# Allegro board 1119394-C028P02-36-DE2-C01_pcb.brd (continued)
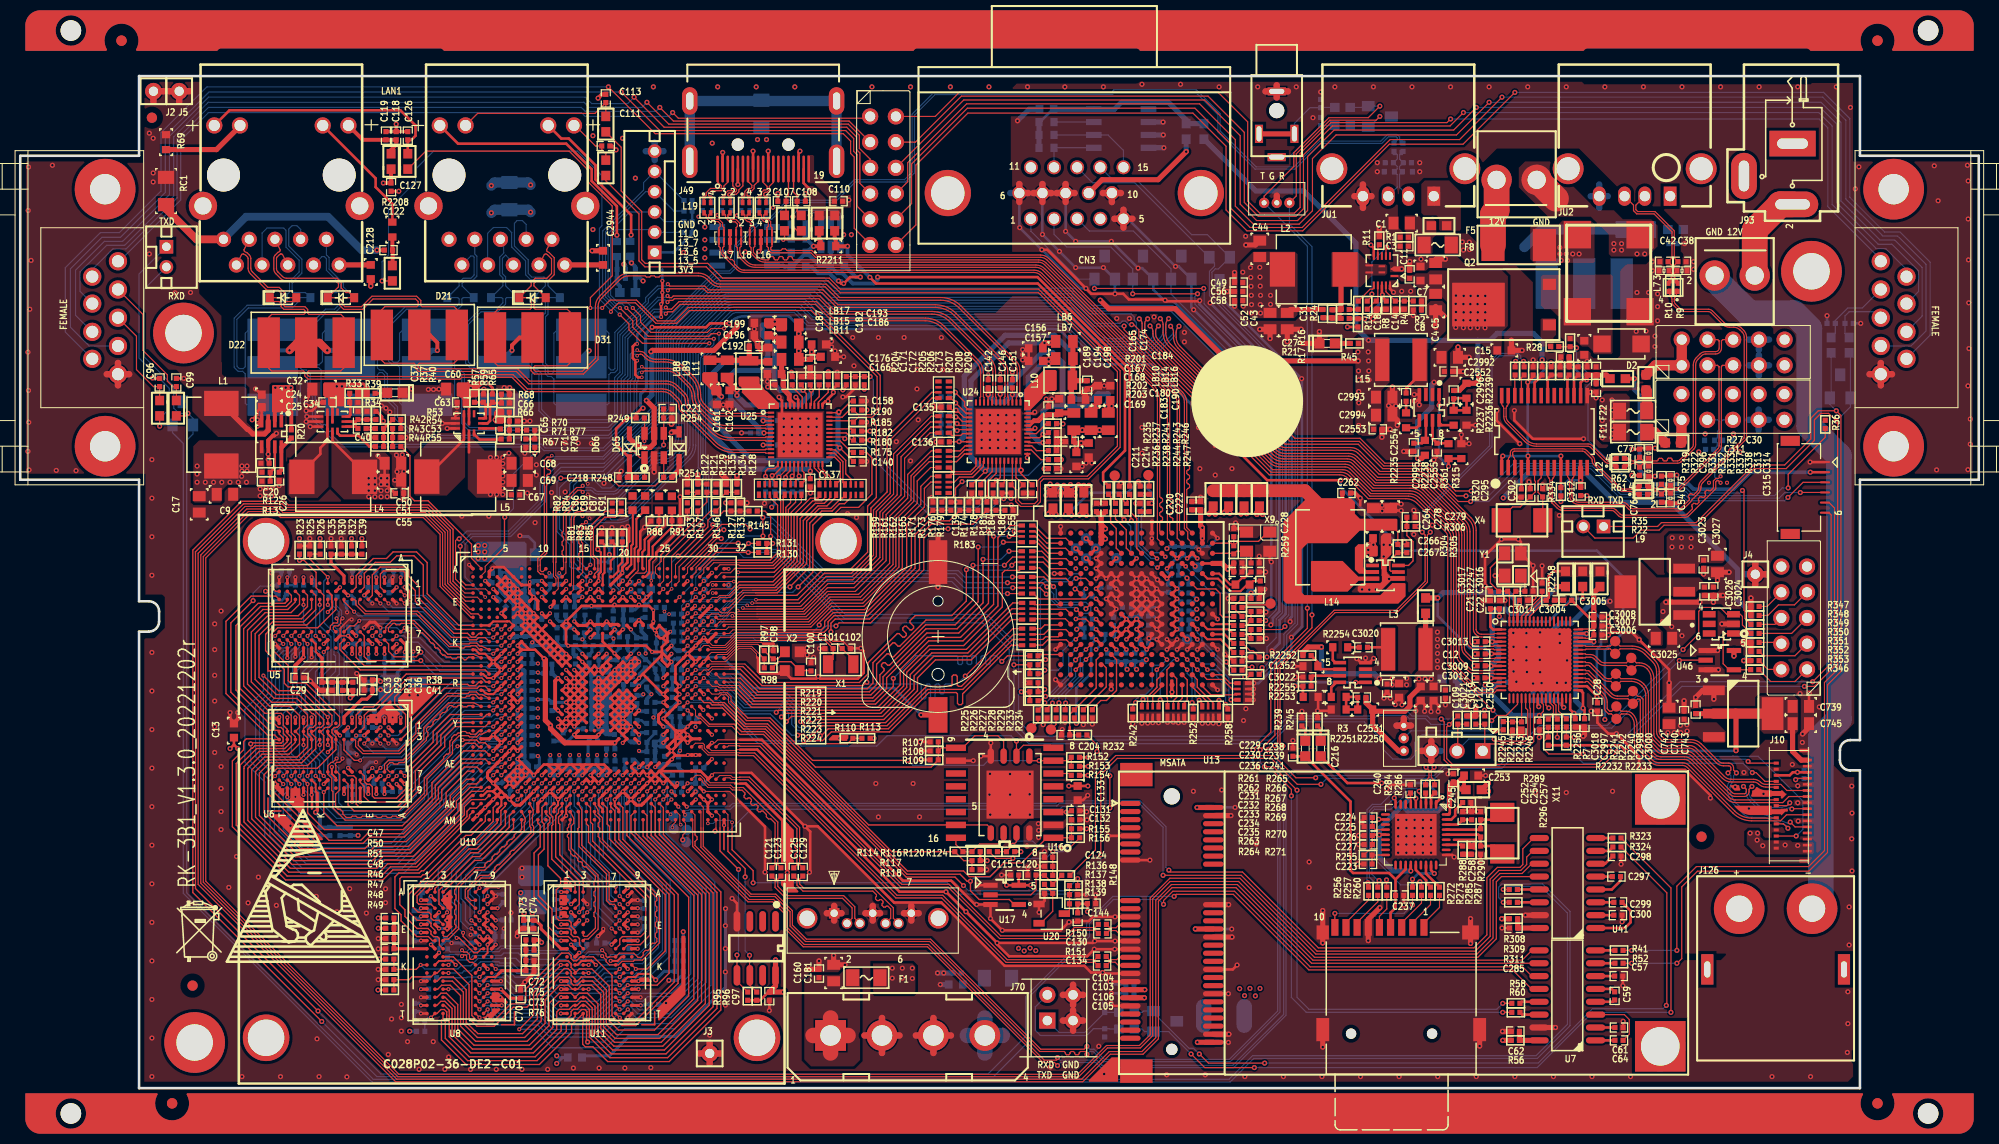
[diagram p0: board, top side]
## Nets (continued)
MDCK: R176.1 U24.30(MDC) U25.30(MDC)
MDIO: R178.2(B) R180.2(B) U10.K27(GPIO11_7/MDIO) U24.31(MDIO) U25.31(MDIO)
MIPI_N0_CLK+: U1.53(MCK_P1)
MIPI_N0_CLK-: U1.54(MCK_N1)
MIPI_N0_D0+: U1.49(M0_P1)
MIPI_N0_D0-: U1.50(M0_N1)
MIPI_N0_D1+: U1.51(M1_P1)
MIPI_N0_D1-: U1.52(M1_N1)
MIPI_N0_D2+: U1.55(M2_P1)
MIPI_N0_D2-: U1.56(M2_N1)
MIPI_N0_D3+: U1.57(M3_P1)
MIPI_N0_D3-: U1.58(M3_N1)
MIPI_N1_CLK+: J10.16 TP6.1(TP) U1.39(MCK_P3)
MIPI_N1_CLK-: J10.15 TP70.1(TP) U1.40(MCK_N3)
MIPI_N1_D0+: J10.13 TP69.1(TP) U1.35(M0_P3)
MIPI_N1_D0-: J10.12 TP68.1(TP) U1.36(M0_N3)
MIPI_N1_D1+: J10.19 TP72.1(TP) U1.37(M1_P3)
MIPI_N1_D1-: J10.18 TP71.1(TP) U1.38(M1_N3)
MIPI_N1_D2+: J10.22 TP10.1(TP) U1.41(M2_P3)
MIPI_N1_D2-: J10.21 TP73.1(TP) U1.42(M2_N3)
MIPI_N1_D3+: J10.10 TP67.1(TP) U1.43(M3_P3)
MIPI_N1_D3-: J10.9 TP1.1(TP) U1.44(M3_N3)
MSATA_RXDN: C106.1 U13.31(PETN0)
MSATA_RXDP: C105.1 U13.33(PETP0)
MSATA_TXDN: C103.1 U13.25(PERP0)
MSATA_TXDP: C104.1 U13.23(PERN0)
NC0: U1.17(NC0)
NC1: U1.18(NC1)
PCIE_REFCLK_SEL: R121.2(B) R122.1(A) R123.1(A) U10.D24(GPIO13_3/VOU1120_DATA11)
POR_BYPASS: R382.2(B) R383.1(A) U10.W28(POR_BYPASS)
POR_IP_SEL: R110.2(B) R113.2(B) U10.U27(POR_IP_SEL)
PWM_SVB0_CPU: R55.2(B) U10.A2(PWM_SVB0/GPIO1_2)
PWM_SVB1_CORE: R78.2(B) U10.B2(PWM_SVB1/GPIO1_3)
RBIAS: R289.1 U34.35(RBIAS)
RESET_7842_1: C204.1 R229.2 R232.2 U32.N5(R\E\S\E\T\)
RESET_SDIO: C223.1 R255.1 U34.18(RESET_N)
REXT: R2248.2 U1.61(REXT)
RGMII0_COL: TP7.1 U10.H29(GPIO8_5/MII0_COL)
RGMII0_RXCK: RN22.4 U10.G30(GPIO8_1/RGMII0_RXCK/MII0_RXCK)
RGMII0_RXD0: RN21.4 U10.G27(GPIO9_0/RGMII0_RXD0/MII0_RXD0)
RGMII0_RXD1: RN22.1 U10.G28(GPIO9_1/RGMII0_RXD1/MII0_RXD1)
RGMII0_RXD2: RN22.2 U10.H27(GPIO9_2/RGMII0_RXD2/MII0_RXD2)
RGMII0_RXD3: RN22.3 U10.H28(GPIO9_3/RGMII0_RXD3/MII0_RXD3)
RGMII0_RXDV: RN21.3 U10.F29(GPIO8_0/RGMII0_RXDV/MII0_RXDV)
RGMII0_RXER: TP5.1 U10.H30(GPIO8_6/MII0_RXER)
RGMII0_TXCKOUT: RN13.1 U10.J29(GPIO8_3/RGMII0_TXCKOUT/MII0_TXC)
RGMII0_TXD0: RN13.2 U10.G31(GPIO9_4/RGMII0_TXD0/MII0_TXD0)
RGMII0_TXD1: RN13.3 U10.H31(GPIO9_5/RGMII0_TXD1/MII0_TXD1)
RGMII0_TXD2: RN13.4 U10.H32(GPIO9_6/RGMII0_TXD2/MII0_TXD2)
RGMII0_TXD3: RN14.1 U10.J30(GPIO9_7/RGMII0_TXD3/MII0_TXD3)
RGMII0_TXEN: RN14.2 U10.K28(GPIO8_2/RGMII0_TXEN/MII0_TXEN)
RGMII1_COL: TP4.1 U10.D29(GPIO2_5/MII1_COL)
RGMII1_CRS: TP3.1 U10.C32(GPIO2_4/MII1_CRS)
RGMII1_RXCK: RN20.4 U10.B32(GPIO2_1/RGMII1_RXCK/MII1_RXCK)
RGMII1_RXD0: RN79.4 U10.A30(GPIO3_0/RGMII1_RXD0/MII1_RXD0)
RGMII1_RXD1: RN20.1 U10.A31(GPIO3_1/RGMII1_RXD1/MII1_RXD1)
RGMII1_RXD2: RN20.2 U10.B31(GPIO3_2/RGMII1_RXD2/MII1_RXD2)
RGMII1_RXD3: RN20.3 U10.C30(GPIO3_3/RGMII1_RXD3/MII1_RXD3)
RGMII1_RXDV: RN79.3 U10.B29(GPIO2_0/RGMII1_RXDV/MII1_RXDV)
RGMII1_RXER: TP2.1 U10.C29(GPIO2_6/MII1_RXER)
RGMII1_TXCKOUT: RN17.1 U10.D30(GPIO2_3/RGMII1_TXCKOUT/MII1_TXC)
RGMII1_TXD0: RN17.2 U10.E30(GPIO3_4/RGMII1_TXD0/MII1_TXD0)
RGMII1_TXD1: RN17.3 U10.E31(GPIO3_5/RGMII1_TXD1/MII1_TXD1)
RGMII1_TXD2: RN17.4 U10.E32(GPIO3_6/RGMII1_TXD2/MII1_TXD2)
RGMII1_TXD3: RN18.1 U10.F32(GPIO3_7/RGMII1_TXD3/MII1_TXD3)
RGMII1_TXEN: RN18.2 U10.E28(GPIO2_2/RGMII1_TXEN/MII1_TXEN)
RI1: J7.12 J22.9
RI2: J7.11 J23.6
RS232_RXA: D1.1(C1) J123.3 L20.2 R58.2
RS232_RXB: D3.1(C1) J1.2 L25.2 R41.2
RS232_RXC: D4.1(C1) J6.2 L27.2 R308.2
RS232_RXD: D5.1(C1) L23.2 R323.2
RS232_TXA: D1.2(C2) J123.1 L21.2 R60.2
RS232_TXB: D3.2(C2) J1.1 L24.2 R52.2
RS232_TXC: D4.2(C2) J6.1 L26.2 R309.2
RS232_TXD: D5.2(C2) L22.2 R324.2
RSTN: C3018.1 R7.2 R2256.2 U1.20(RST_N)
RTC_XIN: C102.2(B) U10.L29(RTC_XIN) X1.1
RTC_XOUT: C101.2(B) U10.L30(RTC_XOUT) X1.2
RTS1: J7.6 J22.7
RTS2: J7.5 J23.8
SATA_PCIE_MODE0: R388.1(A) R389.2(B) U10.E29(GPIO2_7/MII1_TXER)
SATA_PCIE_MODE1: R207.2(B) R208.1(A) R209.2(B) U10.F31(GPIO11_5/EPHY1_CLK)
SATA_RXM0: C125.2 U10.AG32(SATA_RXM0)
SATA_RXM1: U10.AE32(SATA_RXM1)
SATA_RXM2: C103.2 U10.AC32(SATA_RXM2/PCIEX2_RXM1)
SATA_RXP0: C129.2 U10.AG31(SATA_RXP0)
SATA_RXP1: U10.AE31(SATA_RXP1)
SATA_RXP2: C104.2 U10.AC31(SATA_RXP2/PCIEX2_RXP1)
SATA_TXM0: C123.2 U10.AG28(SATA_TXM0)
SATA_TXM1: U10.AE28(SATA_TXM1)
SATA_TXM2: C106.2 U10.AC28(SATA_TXM2/PCIEX2_TXM1)
SATA_TXP0: C121.2 U10.AG29(SATA_TXP0)
SATA_TXP1: U10.AE29(SATA_TXP1)
SATA_TXP2: C105.2 U10.AC29(SATA_TXP2/PCIEX2_TXP1)
SD_CLK: J113.5(CLK) R260.2
SD_CMD: J113.3(CMD) R273.2
SD_D0: J113.7(DAT0) R257.2
SD_D1: J113.8(DAT1) R256.2
SD_D2: J113.1(DAT2) R287.2
SD_D3: J113.2(CD/DAT3) R285.2
SD_NCD: J113.12(DET) R272.2
SD_WP: R288.2 R290.2
SFC_BOOT_MODE: R114.1(A) R117.2(B) R118.1(A) U10.U29(SFC_BOOT_MODE/SFC_CLK)
SFC_CLK: R114.2(B) R116.2(B) U16.16(SCLK) U18.6(SCK)
SFC_CS0N: U10.U32(GPIO15_4/SFC_CS0N)
SFC_CS1N: R152.2(B) R153.2(B) U10.T30(GPIO15_5/SFC_CS1N) U16.7(C\S\) U18.1(CS)
SFC_DIO: U10.U30(GPIO15_0/SFC_DIO) U16.15(SI/SIO0) U18.5(SI)
SFC_DOI: U10.V27(GPIO15_1/SFC_DOI) U16.8(SO/SIO1) U18.2(SO)
SFC_HOLD_IO3: R155.2(B) R156.2(B) U10.V30(GPIO15_3/SFC_HOLD_IO3) U16.1(HOLD~/SIO3)
SFC_WP_IO2: R107.1(A) R108.1(A) R109.2(B) U10.U31(GPIO15_2/SFC_WP_IO2) U16.9(WP~/SIO2) U18.3(W\P\)
SLEEP_33: J122.2 U1.19(SLEEP_33)
SN_BOOT_PIN0: R129.2(B) R135.2(B) R147.1(A) U10.B24(GPIO12_2/VOU1120_DATA2)
SN_BOOT_PIN1: R127.2(B) R133.2(B) R145.1(A) U10.D25(GPIO13_0/VOU1120_DATA8)
SN_BOOT_PIN2: R128.2(B) R134.2(B) R146.1(A) U10.C24(GPIO12_3/VOU1120_DATA3)
SYS_RSTN: C124.1(A) C131.1(A) R120.2(B) R136.1(A) R137.2(B) U10.W29(RSTN) U16.3(R\E\S\E\T\) U17.4(Y)
TE: J10.25 R2234.1
TE_18959089: D18.2
UART0_RXD: U7.12(R1OUT) U10.E2(VOU_SLV_DATA4/GPIO1_0)
UART0_TXD: U7.11(T1IN) U10.D1(VOU_SLV_DATA5/GPIO1_1)
UART1_RXD: U7.9(R2OUT) U10.F1(VOU_SLV_DATA1/GPIO7_0)
UART1_TXD: U7.10(T2IN) U10.E1(VOU_SLV_DATA3/GPIO7_1)
UART2_RXD: U10.G2(VOU_SLV_CLK/GPIO7_4) U41.12(R1OUT)
UART2_TXD: U10.G1(VOU_SLV_DATA0/GPIO7_5) U41.11(T1IN)
UART3_RXD: U10.AK27(GPIO7_6/UART3_RXD) U41.9(R2OUT)
UART3_TXD: U10.AK26(GPIO7_7/UART3_TXD) U41.10(T2IN)
UPDATE_FROM_USB: R165.2(B) R171.1(A) R173.2(B) U10.K31(GPIO6_4/EPHY0_RSTN)
USB2_DM0: R284.1 U10.AL28(USB2_DM0)
USB2_DM1: R322.1 U10.AK29(USB2_DM1)
USB2_DP0: R286.1 U10.AM28(USB2_DP0)
USB2_DP1: R319.1 U10.AL29(USB2_DP1)
USB2_OVRCUR0: U10.AM30(GPIO5_0/USB2_OVRCUR0) U46.2(A)
USB2_OVRCUR1: R95.2(B) U10.AL31(GPIO5_2/USB2_OVRCUR1) U12.5(SDA)
USB2_PWREN0: R232.1 U10.AM31(GPIO5_1/USB2_PWREN0)
USB2_PWREN1: R96.2(B) U10.AL32(GPIO5_3/USB2_PWREN1) U12.6(SCL)
USB2_REXT: R380.1(A) R381.1(A) U10.AH27(USB2_REXT)
USB3_DM: L6.1 R5.1(A) U10.B10(USB3_DM)
USB3_DP: L6.4 R6.1(A) U10.A10(USB3_DP)
USB3_REXT: R401.1(A) R402.1(A) U10.E10(USB3_REXT)
USB3_RXM: U10.B8(USB3_RXM)
USB3_RXP: U10.A8(USB3_RXP)
USB3_TXM: U10.D9(USB3_TXM)
USB3_TXP: U10.C9(USB3_TXP)
USB_EX1_DM: L12.4 R62.1(A) U43.27(DM1)
USB_EX1_DP: L12.1 R61.1(A) U43.28(DP1)
USB_EX2_DM: L9.4 R35.1(A) U43.2(DM2)
USB_EX2_DP: L9.1 R22.1(A) U43.3(DP2)
USB_EX3_DM: L8.1 R18.1(A) U43.8(DM3)
USB_EX3_DP: L8.4 R15.1(A) U43.9(DP3)
USB_EX4_DM: L7.1 R9.1(A) U43.11(DM4)
USB_EX4_DP: L7.4 R10.1(A) U43.12(DP4)
VAVDD_1.8VA: C320.1 C321.1 C322.1 C323.1 C324.1 C325.1 LB24.2 U32.F12(AVDD#F12) U32.G12(AVDD#G12) U32.H12(AVDD#H12) U32.J12(AVDD#J12) U32.K12(AVDD#K12) U32.L12(AVDD#L12)
VCVDD_1.8VA: C319.1 C326.1 C327.1 C328.1 C329.1 C330.1 LB23.2 U32.C12(CVDD#C12) U32.C13(CVDD#C13) U32.C14(CVDD#C14) U32.D12(CVDD#D12) U32.E11(CVDD#E11) U32.E12(CVDD#E12)
VDAC_REXT: R397.2(B) U10.E17(VDAC_REXT)
VDVDD_1.8VA: C331.1 C332.1 C333.1 C334.1 C335.1 C338.1 C340.1 C342.1 C343.1 LB22.2 U32.J7(VDD#J7) U32.K6(VDD#K6) U32.K7(VDD#K7) U32.K8(VDD#K8) U32.K9(VDD#K9) U32.L6(VDD#L6) U32.L7(VDD#L7) U32.L8(VDD#L8) U32.L9(VDD#L9)
VDVDDIO_3.3VA: C345.1 C346.1 C347.1 C348.1 C349.1 LB19.2 R229.1 R243.1 R247.1 U32.F5(DVDDIO#F5) U32.G5(DVDDIO#G5) U32.H5(DVDDIO#H5) U32.J5(DVDDIO#J5) U32.K5(DVDDIO#K5) U32.L5(DVDDIO#L5) U32.M5(DVDDIO#M5)
VGA1_IN_B: CN3.3 D24.2(C2) R267.1
VGA1_IN_G: C234.1 CN3.2 D25.2(C2) R270.1
VGA1_IN_HS: CN3.13 D23.1(C1) R271.2
VGA1_IN_R: CN3.1 D26.2(C2) R268.1
VGA1_IN_VS: CN3.14 D23.2(C2) R264.2
VGA1_SYNC1: C234.2 U32.L16(SYNC1)
VGA_5V: CN3.9 LB52.1
VGA_B: R85.1(A) U10.B18(VGA_B)
VGA_G: R83.1(A) U10.A18(VGA_G)
VGA_HS: R82.1(A)
VGA_R: R81.1(A) U10.C17(VGA_R)
VGA_VS: R84.1(A)
VI_CLK: R219.2 U10.R30(GPIO10_1/VI_CLK/NF_DQ1)
VI_D0: RN19.5 U10.T31(GPIO10_0/VI_DATA0/NF_DQ0)
VI_D1: RN19.6 U10.R32(GPIO10_2/VI_DATA1/NF_DQ2)
VI_D2: RN19.7 U10.R31(GPIO10_3/VI_DATA2/NF_DQ3)
VI_D3: RN19.8 U10.P32(GPIO10_4/VI_DATA3/NF_DQ4)
VI_D4: RN77.5 U10.P31(GPIO10_5/VI_DATA4/NF_DQ5)
VI_D5: RN77.6 U10.P30(GPIO10_6/VI_DATA5/NF_DQ6)
VI_D6: RN77.7 U10.N30(GPIO10_7/VI_DATA6/NF_DQ7)
VI_D7: RN77.8 U10.T28(GPIO4_4/VI_DATA7/NF_RDY0)
VI_D8: RN78.5 U10.T27(GPIO4_5/VI_DATA8/NF_RDY1)
VI_D9: RN78.6 U10.R28(GPIO1_4/VI_DATA9/NF_REN)
VI_D10: RN78.7 U10.P27(GPIO1_5/VI_DATA10/NF_WEN)
VI_D11: RN78.8 U10.P28(GPIO1_7/VI_DATA11/NF_ALE)
VI_D12: RN76.5 U10.P29(GPIO1_6/VI_DATA12/NF_CLE)
VI_D13: RN76.6 U10.R29(GPIO4_6/VI_DATA13/NF_CSN0)
VI_D14: RN76.7 U10.R27(GPIO4_7/VI_DATA14/NF_CSN1)
VI_D15: RN76.8 U10.U28(VI_DATA15/GPIO0_5)
VOU1120_DATA5/I2S0_WS_RX: RN75.6 U10.E26(GPIO12_5/VOU1120_DATA5)
VOU1120_DATA6/I2S0_BCLK_RX: RN75.7 U10.C26(GPIO12_6/VOU1120_DATA6)
VOU1120_DATA8/I2S0_MCLK: R145.2(B) RN75.8
VPVDD_1.8VA: C229.1 C230.1 LB25.2 U32.D15(PVDD#D15) U32.D16(PVDD#D16)
VSRAM_3.3V: C336.1 C337.1 C339.1 C341.1 C344.1 LB18.2 U32.M6(VDD_SDRAM#M6) U32.M7(VDD_SDRAM#M7) U32.M8(VDD_SDRAM#M8) U32.M9(VDD_SDRAM#M9) U32.M10(VDD_SDRAM#M10)
VTVDD_3.3VA: C211.1 C214.1 C220.1 C222.1 LB20.2 U32.A5(TVDD#A5) U32.A15(TVDD#A15) U32.B5(TVDD#B5) U32.B15(TVDD#B15)
WDG_RSTN: R150.1(A) U10.V28(SYS_RSTN_OUT/WDG_RSTN)
X7842_1_XTI: C228.2 R259.1 U32.B16(XTALP) X9.1
X7842_1_XTO: C238.2 R259.2 U32.C16(XTALN) X9.3
XIN: C98.2(B) R97.1(A) U10.M31(XIN) X2.1
XOUT: R97.2(B) R98.2(B) U10.M32(XOUT)
XRES: J10.24 R2242.2
XTALI: C3017.1 R2247.1 U1.64(XTALI) Y1.3(XTAL1)
XTALO: C3016.1 R2247.2 U1.63(XTALO) Y1.1(XTAL0)
N72531: C37.1(A) R37.1(A) R40.2(B) U4.5(EN)
N72551: C66.1(A) R65.2(B) R68.1(A) U9.5(EN)
N72571: C65.1(A) U9.4(RAMP)
N72627: C71.1(A) R77.2(B) R78.1(A)
N72639: R71.2(B) R77.1(A)
N72643: C53.1(A) R54.2(B) R55.1(A)
N72655: R53.2(B) R54.1(A)
N72679: C40.1(A) U4.4(RAMP)
N72683: R57.2(B) R59.1(A) U9.6(MODE/VCON)
N72695: R33.2(B) R34.1(A) U4.6(MODE/VCON)
N72707: L5.1 U9.1(SW1) U9.9(SW2)
N72727: L4.1 U4.1(SW1) U4.9(SW2)
N72799: R67.1(A) U9.3(FB)
N72803: R44.1(A) U4.3(FB)
N78504: C14.1(A) R2.2(B) R4.1(A) U2.13(EN)
N78524: R8.1(A) R17.2(B) R21.2(B) U2.12(FB)
N78664: C31.1(A) R21.1(A) R24.2(B)
N78676: R14.1(A) U2.4(PG)
N78684: C18.1(A) R14.2(B) U2.11(VCC)
N78696: C27.1(A) R16.2(B)
N78700: R16.1(A) U2.10(BST)
N78704: C27.2(B) L2.1(A) R24.1(A) U2.8(SW1) U2.9(SW2) U2.15(SW3) U2.16(SW4)
N78756: R11.1(A) U2.6(MODE)
N108668: R412.2(B) U5.L8(ZQ)
N108954: R413.2(B) U6.L8(ZQ)
N117091: R400.2(B) U11.L8(ZQ)
N117481: R406.2(B) U8.L8(ZQ)
N120940: C100.2(B) R98.1(A) X2.3
N121250: C120.1(A) R137.1(A) R138.2(B) R148.2(B) U17.2(A)
N121664: R138.1(A) R139.1(A) U20.2(R\E\S\E\T\)
N121704: C130.1(A) R150.2(B) R151.2(B) U20.3(VCC)
N369871: R120.1(A) R124.2(B) R156.1(A) U18.7(H\O\L\D\)
N370229: R154.2(B) U16.6(NC3)
N784580: C1.1 C3.1 F8.2 LB2.1 R1.1
N791895: R82.2(B) U10.A16(VGA_HS/GPIO15_6)
N791899: R84.2(B) U10.B16(VGA_VS/GPIO15_7)
N1265409: C91.1(A) R91.1 U10.B22(AC0_LINEOUT_R)
N1265415: C87.1(A) R88.1 U10.A22(AC0_LINEOUT_L)
N1265629: C86.1(A) U10.A20(AC0_LINEIN_R)
N1265735: R394.1 U10.D20(AC0_MICL)
N1265739: R393.1 U10.C21(AC0_MICR)
N1265743: C89.1(A) U10.B20(AC0_LINEIN_L)
N1293779: R174.1(A) U24.29(PHYRSTB)
N1294077: R202.1(A) U24.39(RSET)
N1294165: L10.1(A) U24.48(REG_OUT)
N1294187: RN22.5 U24.19(RXC)
N1294199: R201.2(B) U24.42(CKXTAL1)
N1300229: R204.2(B) U25.42(CKXTAL1)
N1300447: L11.1(A) U25.48(REG_OUT)
N1300451: R205.1(A) U25.39(RSET)
N1300455: R175.1(A) U25.29(PHYRSTB)
N9652119: D71.A R39.2
N16774177: C125.1 CON1.5(RXN)
N16774181: C129.1 CON1.6(RXP)
N16774185: C123.1 CON1.3(TXN)
N16774189: C121.1 CON1.2(TXP)
N17888369: R52.1 U7.7(T2OUT)
N17888371: R41.1 U7.8(R2IN)
N17888401: C59.1 U7.5(C2-)
N17888407: C64.1 U7.3(C1-)
N17888413: C64.2 U7.1(C1+)
N17888415: C59.2 U7.4(C2+)
N17888417: C62.1 R56.2 U7.16(VCC)
N17888423: C61.1 U7.2(V+)
N17888425: C57.1 U7.6(V-)
N17888427: R58.1 U7.13(R1IN)
N17888429: R60.1 U7.14(T1OUT)
N17942185: L1.1(A) U3.3(SW)
N17942187: R12.1(A) R13.1(A) U3.7(FB)
N17942295: C26.1(A) R20.2(B) U3.8(EN)
N17948494: D87.A R45.2
N17955762: J93.2(A2) J94.1 J126.1
N17955776: C30.1(A) D2.2(B) L13.3 Q2.3(S) R27.1
N17955786: D18.1 F5.2 L13.2
N17994299: RN13.7 U24.23(TXD0)
N17994300: RN13.6 U24.24(TXD1)
N17994301: RN13.5 U24.25(TXD2)
N17994302: RN14.8 U24.26(TXD3)
N17994437: RN13.8 U24.22(TXCLK)
N17994468: RN14.7 U24.27(TXCTL)
N17995041: RN17.7 U25.23(TXD0)
N17995044: RN17.6 U25.24(TXD1)
N17995047: RN17.5 U25.25(TXD2)
N17995050: RN18.8 U25.26(TXD3)
N17995116: RN18.7 U25.27(TXCTL)
N17995130: RN17.8 U25.22(TXCLK)
N17995805: RN20.5 U25.19(RXC)
N18010653: C285.1 R311.2 U41.16(VCC)
N18010677: R324.1 U41.7(T2OUT)
N18010679: R323.1 U41.8(R2IN)
N18010709: C297.1 U41.5(C2-)
N18010715: C299.1 U41.3(C1-)
N18010721: C299.2 U41.1(C1+)
N18010723: C297.2 U41.4(C2+)
N18010727: C300.1 U41.2(V+)
N18010729: C298.1 U41.6(V-)
N18010731: R308.1 U41.13(R1IN)
N18010733: R309.1 U41.14(T1OUT)
N18040890: R243.2 R246.2 U32.C10(P\W\R\D\N\1\)
N18040896: R246.1 TP46.1(TP)
N18040898: R227.1 TP47.1(TP)
N18040900: R225.1 TP48.1(TP)
N18040904: R222.2 R223.2 U32.G3(TTX_SDA)
N18040906: R220.2 U32.F4(TTX_SCL)
N18040962: R244.2 R247.2 U32.C11(P\W\R\D\N\2\)
N18041076: RN75.3 U32.H4(AP5)
N18041088: RN75.4 U32.K4(AP1)
N18041450: R252.1 U32.P13(SDRAM_VREF)
N18041699: R242.1 U32.N11(SDRAM_LDQS)
N18041701: R258.1 U32.P15(SDRAM_UDQS)
N18041729: R219.1 U32.N1(LLC/VCLK)
N18041731: TP24.1(TP) U32.B4(SYNC_OUT)
N18041733: TP25.1(TP) U32.D6(CEC)
N18041735: R271.1 U32.L14(HS_IN1/TRI5)
N18041737: R264.1 U32.K14(VS_IN1/TRI6)
N18041783: R237.2 U32.D8(DDCB_SCL)
N18041805: C231.1 R261.1 R262.2
N18041807: C231.2 U32.F14(AIN11)
N18041868: R265.2 TP31.1(TP) U32.D13(VGA_SCL)
N18042583: TP27.1(TP) U32.C3(VS/FIELD)
N18042585: TP29.1(TP) U32.C4(HS/CS)
N18042593: TP30.1(TP) U32.D4(FIELD/DE)
N18042595: TP26.1(TP) U32.L13(AOUT)
N18042600: R241.2 U32.C9(RXA_5V)
N18042602: R235.2 U32.C7(HPA_A)
N18042624: R236.2 U32.C8(RXB_5V)
N18042626: R236.1 TP49.1(TP)
N18042630: TP32.1(TP) U32.D14(VGA_SDA)
N18042636: RN75.2 U32.J3(SCLK)
N18042638: RN77.4 U32.D2(P8)
N18042640: RN77.3 U32.D1(P9)
N18042642: RN77.2 U32.E2(P10)
N18042644: RN77.1 U32.F2(P11)
N18042646: RN19.4 U32.B2(P4)
N18042648: RN19.3 U32.B1(P5)
N18042650: RN19.2 U32.C2(P6)
N18042652: RN19.1 U32.C1(P7)
N18042654: RN76.4 U32.K1(P20)
N18042656: RN76.3 U32.L2(P21)
N18042658: RN76.2 U32.L1(P22)
N18042662: RN76.1 U32.M2(P23)
N18042664: RN78.4 U32.H1(P16)
N18042666: RN78.3 U32.J2(P17)
N18042668: RN78.2 U32.J1(P18)
N18042670: RN78.1 U32.K2(P19)
N18042674: C235.1 R263.1 R270.2
N18042676: C233.1 R268.2 R269.1
N18042678: C232.1 R266.1 R267.2
N18042680: C232.2 U32.K16(AIN3)
N18042682: C233.2 U32.K15(AIN2)
N18042684: C235.2 U32.L15(AIN1)
N18043041: R225.2 U32.N3(INT2)
N18043043: R227.2 U32.M4(INT1)
N18043282: R233.2 U32.P5(TEST7)
N18043284: R234.2 U32.N6(TEST6)
N18043286: R228.2 U32.N4(TEST4)
N18043288: R226.2 U32.P3(TEST5)
N18043541: R224.2 U32.M3(SDA)
N18043543: R221.2 U32.L3(SCL)
N18043587: RN12.4 U32.N13(SDRAM_DQ15)
N18043589: RN12.3 U32.T14(SDRAM_DQ14)
N18043591: RN12.2 U32.R14(SDRAM_DQ13)
N18043593: RN12.1 U32.P14(SDRAM_DQ12)
N18043595: R238.2 U32.D11(RTERM)
N18043599: RN10.4 U32.P11(SDRAM_DQ7)
N18043601: RN10.3 U32.R11(SDRAM_DQ6)
N18043603: RN10.2 U32.T11(SDRAM_DQ5)
N18043605: RN10.1 U32.N12(SDRAM_DQ4)
N18043607: RN9.4 U32.P12(SDRAM_DQ3)
N18043609: RN9.3 U32.R12(SDRAM_DQ2)
N18043611: RN9.2 U32.T13(SDRAM_DQ1)
N18043613: RN9.1 U32.R13(SDRAM_DQ0)
N18043626: RN11.4 U32.N14(SDRAM_DQ11)
N18043628: RN11.3 U32.T15(SDRAM_DQ10)
N18043630: RN11.2 U32.R15(SDRAM_DQ9)
N18043632: RN11.1 U32.R16(SDRAM_DQ8)
N18043702: C236.1 C241.2 U32.E15(REFP)
N18043704: C236.2 C239.2 U32.E16(REFN)
N18043752: RN75.1 U32.G4(MCLK)
N18120093: R286.2 U34.2(USBDP)
N18120095: R284.2 U34.3(USBDM)
N18120101: C258.2 R296.2 U34.32(XTAL2) X11.2
N18120111: C257.2 R296.1 U34.33(XTAL1/CLKIN) X11.1
N18120140: D14.A U34.1(LED)
N18120142: D14.C R245.2
N18120148: D15.C R239.2
N18120154: R287.1 U34.25(SD_D2)
N18120156: R256.1 U34.4(SD_D1)
N18120158: R257.1 U34.5(SD_D0)
N18120160: R285.1 U34.23(SD_D3)
N18120399: R272.1 U34.26(SD_NCD)
N18120401: R273.1 U34.11(SD_CMD)
N18120403: R288.1 U34.30(SD_WP)
N18120405: R260.1 U34.9(SD_CLK)
N18122516: C296.1 C311.1 C313.1 C314.1 C315.1 LB31.1 R332.2 R334.1 R337.1 R338.1 U43.1(AVDD1) U43.5(AVDD2) U43.10(AVDD3) U43.16(DVDD) U43.24(V33)
N18122529: R320.1 U43.4(RREF)
N18122553: C312.1 R334.2 U43.13(RESET#)
N18122565: R322.2 U43.25(DM0)
N18122567: R319.2 U43.26(DP0)
N18122574: R338.2 U43.17(PSELF)
N18122576: R337.2 U43.18(PGANG)
N18122660: C295.2 U43.6(XTAL1) X4.1
N18122662: C302.2 U43.7(XTAL2) X4.2
N18122672: R331.2 U43.23(V5)
N18122674: R332.1 R333.1 U43.21(OVCUR1#)
N18131694: F22.2 LB5.1
N18131729: J103.1 J103.2 LB5.2
N18131773: C76.1 D16.1 J103.6 L12.2 R61.2(B)
N18131779: C77.1 D17.1 J103.4 L12.3 R62.2(B)
N18172660: J108.7 R348.1
N18172710: J108.8 R347.1
N18173126: J108.3 R352.1
N18173239: J108.5 R350.1
N18173263: J108.1 R346.1
N18173335: J108.2 R353.1
N18173338: J108.4 R351.1
N18173341: J108.6 R349.1
N18174047: Q2.1(G) R28.1
N18220213: L14.1(A) U38.3(SW)
N18220215: R304.1 R305.1 U38.7(FB)
N18220289: C279.1(A) R306.2(B) U38.8(EN)
N18223070: R36.1(A) U10.D3(VOU_SLV_DATA14/GPIO0_0)
N18387572: F11.2 LB4.1
N18449434: J11.12(LED-_G) R2208.2
N18450000: J115.12(LED-_G) R64.2
N18450023: J115.14(LED+_Y) R2210.2
N18473853: C85.2 J49.1(P1) L19.1
N18473856: C84.2 J49.3(P3) L19.4
N18473859: C83.2 J49.7(P7) L18.1
N18473862: C82.2 J49.9(P9) L18.4
N18473877: C107.1 J49.15(P15) L28.1
N18473890: C110.1 J49.19(P19) L30.1
N18473893: J49.20(S20) J49.21(S21) J49.22(S22) J49.23(S23) R63.1
N18475321: C2318.2 LB1.2 LB52.2 R158.1 R160.1 R2212.1 U27.8(VDD)
N18475325: R158.2 U27.7(WP)
N18477076: R1119.2 U58.7(WP)
N18596205: C2554.1(A) R2235.2(B)
N18596289: C2996.2(B) R2236.1(A) R2237.2(B) R2239.2(B)
N18596299: C2995.1(A) R2238.2(B) U79.6(EN/SYNC)
N18596305: C2555.1(A) R361.1(A) U79.7(VCC)
N18596313: R2237.1(A) U79.8(FB)
N18596319: C2554.2(B) L15.1(A) U79.3(SW)
N18596345: R2235.1(A) U79.5(BST)
N18596351: R315.1(A) R361.2(B) U79.1(AAM)
N18684413: D65.1(K) R251.1
N18724589: C2531.1(A) R3.2(B) R2250.1(A) R2251.1(A)
N18724623: C1352.1(A) R2252.2(B) U80.6(EN/SYNC)
N18724629: R3.1(A) U80.8(FB)
N18724631: C3022.1(A) R2255.1(A) U80.7(VCC)
N18724639: R2253.1(A) R2255.2(B) U80.1(AAM)
N18724649: C3020.1(A) R2254.2(B)
N18724653: R2254.1(A) U80.5(BST)
N18724659: C3020.2(B) L3.1(A) U80.3(SW)
N18850314: C94.1 J22.2 L24.1
N18850334: C95.1 J22.3 L25.1
N18852762: C3029.1 F24.2 LB3.1
N18863826: F5.1 J125.1
N18864912: C90.1 J111.2 L20.1
N18864923: C88.1 J111.1 J111.3 L21.1
N18865275: C92.1 J124.2 L23.1
N18865278: C93.1 J124.1 L22.1
N18911989: C99.1 J23.4 L27.1
N18911996: C96.1 J23.3 L26.1
N18943978: C42.2 D7.1 JU2.3 L7.3 R10.2(B)
N18943986: C38.2 D6.1 JU2.2 L7.2 R9.2(B)
N18943994: C23.1 D9.1 JU1.3 L6.3 R6.2(B)
N18944001: C10.1 D8.1 JU1.2 L6.2 R5.2(B)
N18946581: C46.1 D11.1 J95.3 L8.2 R18.2(B)
N18946589: C45.1 D10.1 J95.5 L8.3 R15.2(B)
N18947100: C75.1 D13.1 J103.3 L9.3 R35.2(B)
N18947108: C54.1 D12.1 J103.5 L9.2 R22.2(B)
N18949083: C2128.2 J11.1(CT)
N18949421: C2944.2 J115.1(CT)
N18988802: C78.2 J49.12(P12) L16.2
N18988909: C79.2 J49.10(P10) L16.3
N18988998: C80.2 J49.6(P6) L17.2
N18989021: C81.2 J49.4(P4) L17.3
N18993375: JU1.1 LB2.2
N18993417: JU2.1 LB3.2
N18993462: J95.1 LB4.2
N18998825: C108.1 J49.16(P16) L29.2
N19001477: J49.18(P18) LB12.2
N19002478: C111.1(A) J115.11(LED+_G) LB13.2
N19002508: C113.1(A) J115.13(LED-_Y) LB21.2
N19002660: C116.1(A) C117.1(A) LB27.2 R2210.1
N19003815: J11.13(LED-_Y) R69.2
N19004060: C118.1(A) C119.1(A) J11.11(LED+_G) LB28.2
N19004132: C122.1(A) LB29.2 R2208.1
N19004143: C126.1(A) J11.14(LED+_Y) LB30.2
N180422580: R262.1 TP28.1(TP)

Pads without a net: CN3 4 11 16 17; D1 3; D3 3; D4 3; D5 3; D24 3; D25 3; D26 3; ID1 1; ID2 1; ID3 1; ID4 1; ID5 1; ID6 1; J10 7; J11 E1 E2; J22 10 11; J23 10 11; J49 13 14; J95 2 4 6 8 9 10; J103 9 10; J108 9 10; J115 E1 E2; JU1 5 6; JU2 5 6; NOREF 1; NOREF#19 1; NOREF#22 1; NOREF#23 1; PCB 1 2 3; R123 2; R146 2; R147 2; R2234 2; RN14 3 4 5 6; RN18 3 4 5 6; RN21 1 2 7 8; RN79 1 2 7 8; U2 3 5; U3 1; U4 7; U5 J1 J9 L1 L9; U6 J1 J9 L1 L9; U8 J1 J9 L1 L9; U9 7; U10 A7 A24 A25 AA1 AA13 AA15 AA16 AA28 AA29 AA31 AA32 AC1 AD1 AD2 AE20 AJ14 AJ31 AJ32 AK1 AK31 AK32 AL15 AL18 AL24 AM3 AM10 AM16 AM18 AM25 B1 B7 B25 C2 C22 C28 D22 D27 E23 E24 E25 E27 F2 F3 F4 G3 G4 J1 K2 K4 P12 R1 U1 U12 V3 V12 W4 W27 W31 W32 Y2; U11 J1 J9 L1 L9; U12 1 2 3 7; U13 1 3 5 6 7 8 10 11 12 13 14 16 17 19 20 22 28 30 32 36 38 42 44 45 46 47 48 49 51 H3 H4 P1 P2; U16 4 5 11 12 13 14; U24 12 20 33 46; U25 12 20 33 46; U32 A2 A3 A4 A6 A7 A8 A9 B3 B6 B7 B8 B9 C6 D3 D7 D9 D10 E3 E4 E13 E14 F1 F3 F13 F15 F16 G1 G2 G13 G14 G15 G16 H2 H3 H13 H14 H15 H16 J4 J13 J14 J15 K3 K13 L4 N2 N7 N8 N9 N10 N15 N16 P1 P2 P4 P6 P7 P8 P9 P10 P16 R1 R2 R3 R4 R5 R6 R7 R8 R9 R10 T2 T3 T4 T5 T7 T8 T9 T10; U34 7 8 10 12 15 16 17 19 20 24 27 29 31; U38 1; U43 14 19 20 22; U45 4 5 6; U75 6

## Via types
v1: diameter 0.406, hole 0.203, TOP to BOTTOM, 726 vias
v2: diameter 0.508, hole 0.254, TOP to BOTTOM, 1585 vias
v3: diameter 0.356, hole 0.203, TOP to BOTTOM, 46 vias
v4: diameter 0.457, hole 0.203, TOP to BOTTOM, 90 vias

## Routing (per net, layer and track width the routed paths; a pad name or vN(x,y) marks a point on that pad's centre or on a via; arc(x,y) is an arc through that point)
1V5: length 172.2
  TOP w0.178: U5.K2 30.77,48.7 30.77,48.03 30.81,47.99 30.81,47.48 v1(30.38,47.04) ; U8.K2 41.36,12.57 41.93,12.57 41.97,12.61 42.58,12.61 v1(43.01,12.18)
  TOP w0.203: v1(30.38,33.2) 30.81,33.63 30.81,34.14 30.77,34.18 30.77,34.61 30.38,35.01 U6.K2 ; v1(56.85,12.18) 56.42,12.61 55.86,12.61 55.82,12.57 55.44,12.57 55.05,12.18 U11.K2
  TOP w0.254: U8.R1 v1(39.58,8.18) ; U10.AG7 U10.AF8 ; U10.AG7 49.11,30.11 ; U10.AG7 U10.AF6 ; U10.AF8 49.91,31.73 ; U10.AF8 50.32,31.32 v1(50.72,30.92) 51.12,31.32 U10.AF9 51.12,31.38 51.71,31.97 52.07,31.97 ; 57.93,31.71 57.67,31.97 56.87,31.97 ; 57.93,31.71 U10.AF18 ; 57.93,31.71 57.53,31.32 U10.AF17 56.87,31.97 ; v1(54.41,14.18) U11.H2 ; 52.87,31.97 U10.AF12 53.52,31.34 54.15,31.97 ; 52.87,31.97 52.07,31.97 ; 52.87,31.97 53.39,31.97 ; U10.AE7 49.91,31.73 ; U10.AE7 49.12,32.52 v1(49.12,32.52) 49.52,32.92 U10.AD7 ; U10.AE7 U10.AF6 ; 49.91,31.73 49.52,31.33 U10.AF7 U10.AG6 U10.AH5 ; 56.87,31.97 56.52,31.97 ; v1(37.58,50.47) 37.58,50.47 U5.A1 ; 54.15,31.97 54.47,31.97 ; 54.15,31.97 53.39,31.97 ; 52.07,31.97 U10.AF11 52.74,31.32 53.39,31.97 ; 21.11,33.93 v2(21.49,33.55) ; 21.11,33.93 C13.1 ; 21.11,33.93 v2(20.73,33.55) ; 49.11,30.11 U10.AH6 U10.AG5 48.31,30.91 ; 49.11,30.11 48.31,30.91 ; v1(49.92,30.92) v1(49.12,31.72) ; v1(40.56,18.98) 40.56,18.98 U8.B2 ; 48.31,30.91 U10.AF6 ; v1(54.41,17.38) U11.D2 ; 54.47,31.97 U10.AF14 55.15,31.32 55.8,31.97 ; 54.47,31.97 55.27,31.97 ; U5.R1 v1(26.38,50.47) ; v1(35.58,35.65) U6.D2 ; v1(37.18,49.49) U5.B2 ; U6.R1 v1(26.38,36.63) ; v1(53.43,17.78) U11.C1 ; 55.27,31.97 U10.AF15 55.92,31.38 56.52,31.97 ; 55.27,31.97 55.8,31.97 ; 55.8,31.97 56.52,31.97 ; 22.45,61.47 v2(22.4,61.47) ; v1(40.57,19.79) U8.A1 ; v1(54.41,18.18) U11.B2 ; R46.1 v2(35.46,12.75) ; v1(53.42,8.18) U11.R1 ; v1(53.43,19.38) U11.A1 ; R49.1 v2(35.33,9.7)
  TOP w0.305: v1(33.58,36.62) U6.F1 ; C70.1 48.37,8.89 v1(47.48,9.78) U8.N9 ; v1(35.18,42.91) U5.D9 ; U8.E9 46.56,16.18 v1(46.96,15.78) ; U5.C1 35.98,50.47 v1(35.98,50.47) ; U8.C9 47.14,17.78 v1(47.14,17.78) ; R26.1 v2(29.62,54.31) ; v1(35.98,36.62) U6.C1 ; v1(46.96,16.58) 46.56,16.98 U8.D9 ; v1(34.38,42.91) U5.E9 ; v1(41.36,17.38) U8.D2 ; v1(32.38,31.65) U6.G7 ; v1(32.38,48.69) U5.H2 ; U11.H9 60.98,13.78 v1(60.98,13.78) ; C39.1 v2(33.74,54.31) ; v1(37.98,30.05) U6.A8 ; v1(27.98,42.58) U5.N9 ; v1(61.07,9.78) 61.07,9.78 U11.N9 ; v1(35.98,42.91) U5.C9 ; v1(53.42,9.78) U11.N1 ; R32.1 v2(32.73,54.31) ; U11.D9 60.98,16.98 v1(60.98,16.98) ; v1(58.41,14.18) U11.G7 ; v1(60.01,11.78) U11.K8 ; v1(29.98,30.05) U6.K8 ; U10.W7 v1(49.12,36.52) ; U5.A8 38.06,43.81 38.06,43.17 v1(37.98,43.09) ; v1(40.56,14.18) U8.H2 ; C47.1 v2(35.36,16.81) ; U10.V7 v1(49.12,37.32) ; v1(29.98,43.89) U5.K8 ; v1(37.58,36.62) U6.A1 ; U10.R7 v1(49.12,39.72) ; v1(53.43,15.38) U11.F1 ; v1(33.18,44.69) U5.G7 ; v1(35.58,48.69) U5.D2 ; v1(27.98,28.99) U6.N9 ; U11.R9 v1(61.28,8.18) ; v1(35.18,29.07) U6.D9 ; v1(35.98,29.07) U6.C9 ; U6.R9 v1(26.38,28.77) ; U5.F1 33.58,50.47 v1(33.58,50.47) ; v1(34.38,29.07) U6.E9 ; U10.AF17 v1(57.12,30.92) ; v1(39.58,9.78) U8.N1 ; U10.AF14 v1(54.72,30.92) ; v1(32.38,43.9) U5.H9 ; U10.AF15 v1(55.52,30.92) ; R50.1 v2(35.36,15.8) ; U8.R9 v1(47.55,8.18) ; v1(27.98,50.47) U5.N1 ; v1(39.59,15.38) U8.F1 ; U10.AF18 v1(57.92,30.92) ; U5.R9 v1(26.38,42.5) ; U8.G7 v1(45.36,14.18) ; U10.N7 v1(49.12,41.32) ; U10.AF11 v1(52.32,30.92) ; U10.AF12 v1(53.12,30.92) ; v1(27.98,36.63) U6.N1 ; v1(60.01,19.78) U11.A8 ; v1(46.16,11.78) U8.K8 ; U11.C9 60.98,17.78 v1(60.98,17.78) ; v1(31.98,29.07) U6.H9 ; v1(32.38,35.65) U6.H2 ; v1(39.59,17.78) U8.C1 ; U10.AA7 v1(49.12,34.92) ; v1(46.96,14.18) U8.H9 ; U8.A8 46.29,19.91 v1(47.23,19.91) ; v1(36.38,35.65) U6.B2 ; U10.T7 v1(49.12,38.92) ; U10.AB7 v1(49.12,34.12) ; v1(60.98,16.18) U11.E9
  TOP w0.381: v2(51.49,14.4) 51.24,14.65 C72.1 R75.1 ; R31.1 C36.1 32.85,38.82 v2(32.6,38.56) ; C29.1 27.18,41.78 v1(27.98,42.58)
  GND02 w0.254: v2(21.89,60.96) 21.89,60.48 v2(21.87,60.45) ; v2(21.89,60.96) v2(21.89,61.47) v2(22.4,61.47) v2(22.4,60.96) v2(21.89,60.96)
  BOTTOM w0.254: v2(52.98,3.2) 53.15,3.03 53.58,3.03 ; C419.1 53.58,3.03 ; 53.58,3.03 v2(52.98,2.44) ; v2(21.87,60.45) 21.89,60.48 v2(21.89,60.96) ; v2(24.23,49.1) 25.12,48.21 25.86,48.21 26.11,48.46 26.11,48.64 R414.1 ; R19.1 v2(27.58,54.31) ; v2(21.89,60.96) v2(21.89,61.47) v2(22.4,61.47) v2(22.4,60.96) v2(21.89,60.96)
  BOTTOM w0.305: v1(37.98,43.09) 37.98,42.28 C477.1 37.94,41.75 37.24,41.05 37.24,40.67 ; v1(34.38,42.91) 34.4,42.89 C489.1 ; v1(46.96,15.78) 46.89,15.71 C464.1 46.89,14.25 v1(46.96,14.18) ; v1(33.18,44.69) 33.26,44.77 C495.1 ; C504.1 26.59,50.69 v1(26.38,50.47) ; v1(46.96,16.58) 47.01,16.62 C460.1 ; C469.1 41.23,17.24 v1(41.36,17.38) ; R407.1 v2(38.46,5.63) ; v1(35.98,50.47) 35.93,50.52 C484.1 ; 36,40.7 C483.1 36,42.89 v1(35.98,42.91) ; v1(47.14,17.78) 47.71,18.34 C462.1 ; C500.1 32.35,35.62 v1(32.38,35.65) ; C429.1 53.36,19.44 v1(53.43,19.38) ; v1(37.18,49.49) 36.64,48.95 C482.1 ; v1(32.38,48.69) 32.7,48.69 33.01,48.39 C497.1 ; 35.8,38.47 C485.1 35.8,36.8 v1(35.98,36.63) ; v1(39.59,17.78) 39.34,17.54 C475.1 ; C503.1 26.57,28.09 26.38,28.28 v1(26.38,28.77) ; v1(54.41,17.38) 54.41,17.37 C420.1 ; v1(32.38,31.65) 32.47,31.74 C499.1 ; C486.1 35.74,29.31 v1(35.98,29.07) 36.22,29.31 C481.1 ; v1(60.98,16.98) 61.19,16.78 C376.1 ; v1(60.98,13.78) 60.96,13.8 C383.1 ; v1(39.58,9.78) 39.59,9.79 C471.1 ; C493.1 33.64,50.53 v1(33.58,50.47) ; C494.1 33.51,36.69 v1(33.58,36.63) ; v1(34.38,29.07) 34,29.45 C490.1 ; v1(45.36,14.18) 45.2,14.34 C467.1 ; v1(61.28,8.18) 61.65,8.18 61.75,8.28 C365.1 ; v1(54.41,14.18) 54.44,14.21 C416.1 ; v1(39.58,8.18) 39.36,8.39 C474.1 ; v1(53.43,15.38) C431.1 ; C470.1 40.44,18.86 v1(40.56,18.98) ; v1(54.41,18.18) 54.16,18.43 C422.1 ; v1(35.58,35.65) 35.57,35.64 C488.1 ; v1(37.58,36.63) C480.1 37.58,38.16 37.24,38.51 ; C479.1 37.71,50.6 v1(37.58,50.47) ; R409.1 C498.1 32.63,24.97 v2(33.36,24.97) ; v1(27.98,50.47) 27.99,50.46 C502.1 ; v1(53.43,17.78) 53.31,17.66 C430.1 ; v1(40.56,14.18) 41.1,14.72 C468.1 ; C472.1 40.22,20.13 v1(40.57,19.79) ; R384.1 C352.1 v2(65.49,15.45) ; C375.1 61.02,17.74 v1(60.98,17.78) ; v1(32.38,43.9) C492.1 ; v1(58.41,14.18) 58.25,14.34 C400.1 ; v1(39.58,15.38) C476.1 ; v1(35.58,48.69) 35.17,49.1 C487.1 ; C496.1 32.28,29.82 31.98,29.52 v1(31.98,29.07) ; v1(49.12,34.12) 49.28,33.96 C453.1
  BOTTOM w0.381: v2(50.57,17.3) 50.6,17.27 C440.1 R403.1 ; 33.81,39.37 v2(35.59,39.37)
  vias: v1(48.32,30.12) v1(49.12,30.92) v2(17.48,61.47) v2(17.47,60.68) v2(17.47,59.87) v2(18.28,59.87) v2(19.09,59.87) v2(19.91,59.87) v2(20.72,59.87) v2(21.53,59.87) v2(22.34,59.87) v2(49.43,19.3) v2(49.43,18.31)
